# KiCad board nuevo5.kicad_pcb (continued)
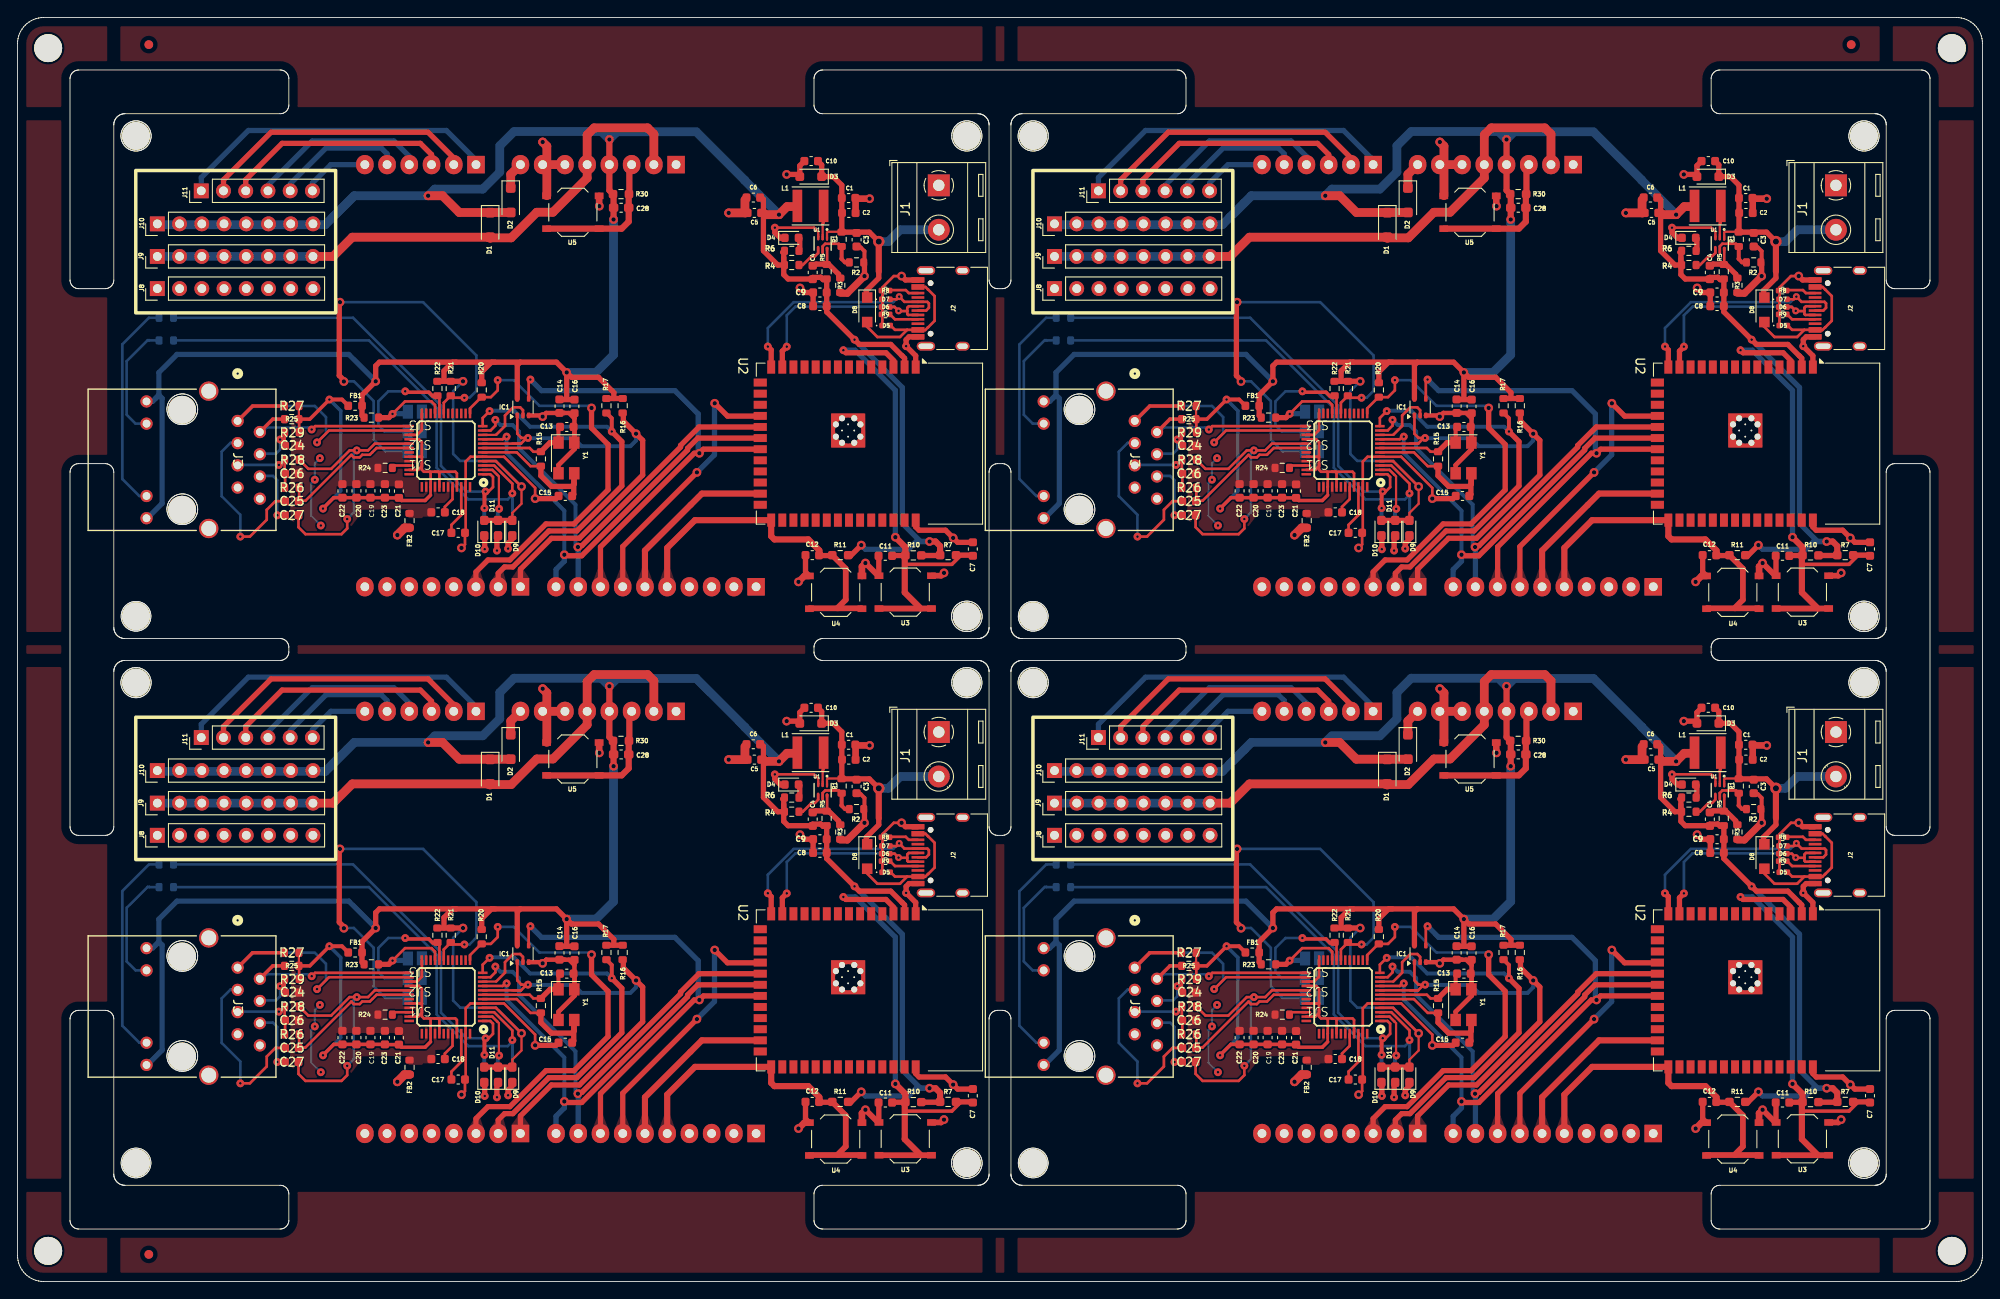
[diagram p0: board, top side]
## Routing (per net, layer and track width the routed paths; a pad name or vN(x,y) marks a point on that pad's centre or on a via; arc(x,y) is an arc through that point) (continued)
  Top w0.45: FB1#2.2 37.07,100.83 v2(35.64,100.83)
  Bottom w0.4: v2(34.9,88.36) 36.93,90.39 36.93,99.53 v2(35.64,100.83)
Board_0-GND: length 127.9
  Top w0.25: 91.29,120.18 91.49,119.98 91.49,119.41 U1.3 91.49,119.13 ; 95.75,123.83 C1#2.2 95.8,123.78 ; 63.63,97.74 63.59,97.7 63.6,97.69 ; U3#3.1 98.4,80.7 ; 63.6,99.29 C16.2
  Top w0.3: 98.79,109.28 98.8,109.29 98.8,109.85 ; 59.34,89.3 v1(59.14,89.5) 59.14,90.73 55.58,94.28 U$1.29 51.75,94.28 51.2,93.73 U$1.23 51.2,85.66 C17.2 51.12,84.26 v1(50.72,83.86) ; 98.81,109.94 98.81,111.67 98.76,111.71 ; v2(86.53,120.47) 91,120.47 91.29,120.18 ; 98.8,111.75 98.8,112.66 98.83,112.69 98.83,113.65 100.12,114.94 v1(101,114.94)
  Top w0.45: 95.87,118.23 96.32,118.23 96.77,117.78 96.77,116.5
  Top w0.5: 63.6,95.9 63.63,95.87 63.63,95.16 ; 61.8,93.33 63.63,95.16 ; 61.8,93.33 61.8,92.4 ; 61.8,93.33 63.63,95.16 63.63,98.67 ; 63.63,95.16 63.63,97.66 63.59,97.7 ; 62.49,99.29 60.41,99.29 ; 62.49,99.29 63,99.29 63.63,98.67 ; 62.49,99.29 C14#3.2 ; 60.41,99.29 v1(59.99,98.87) ; 60.41,99.29 60.13,99.01 IC1#4.3 ; 63.63,98.67 C16.2
  Top w0.6: C15#3.2 61.51,89.5 v1(59.14,89.5) ; C12.2 90.03,81.11 90.43,80.71 ; 98.4,80.7 98.4,83.01 ; C10#3.2 89.38,127.56 D3#3.2 89.13,126.56 v1(87.88,126.56) ; J2#3.A12 101.45,114.49 v1(101,114.94) ; C7#2.2 109.13,84.5 107.41,84.5 v1(106.9,85.01) 106.02,85.88 103,85.88 102.62,86.26 U2.40 ; C8#3.2 C9#4.2 89.92,113.06 v1(89.4,113.58) ; U2.1 102.62,105.83 v2(101.52,106.92) 101.52,107.66 101.86,107.99 J2#3.A1 ; 87.58,119.28 87.17,119.28 86.53,119.92 v2(86.53,120.47) ; v1(96.77,114.93) 96.77,116.5
  Top w0.65: v1(105.85,81.01) 105.53,80.68 U3#3.1 ; v1(96.88,82.13) 98.31,80.7 98.4,80.7
  Top w0.75: U4.1 89.9,80.66 v1(89.23,79.98) ; v1(97.35,123.78) 95.8,123.78 ; v1(96.88,82.13) 96.48,81.73 U4.1 ; v1(66.48,122.93) 66.45,122.96 U5#4.2 ; C2#2.2 95.75,123.83
  Top w0.8: 94,112.97 94.81,112.97 v1(96.77,114.93)
  Top w1: v1(43.4,85.33) 44.22,86.16 FB2#4.1 ; v1(60,130.27) 60.48,129.79 60.48,124.13 ; J4#3.6 J4#3.7 ; 83.11,123.66 83.11,122.2 83.15,122.16 v1(81.25,122.16)
  Top w1.2: 104.93,125.41 105.2,125.41
  Bottom w0.25: v2(34.55,94.12) 33.97,93.54 v2(33.97,91.66) 33.56,91.25 33.56,87.52 v2(34.65,86.43)
  vias: v4(94.9,97.28)
Board_0-Net-(D4-A): length 1.5
  Top w0.6: 89.33,119.28 89.37,119.25 89.37,117.82
Board_0-Net-(D5-A2): length 17
  Top w0.3: 101.65,108.79 100.25,108.79 99.76,109.28 ; 101.65,108.79 J2#3.A4 102.9,108.76 103.7,108.76 104.02,109.08 104.03,109.08 104.78,109.82 104.78,112.65 104.02,113.41 104.02,113.41 103.73,113.69 J2#3.A9 ; 101.65,108.79 100.83,107.97 98.24,107.97 97,109.21 97,109.77 96.93,109.69
Board_0-Net-(D9-K): length 1.7
  Top w0.25: 56.53,84.86 D9#3.1
  Top w0.6: v2(56.05,83.78) 56.05,84.38 56.53,84.86
  Bottom w0.25: 56.05,83.86 v2(56.05,83.78)
Board_0-Net-(D10-K): length 1.8
  Top w0.25: 53.38,85.21 D10.1
  Top w0.6: 53.38,85.21 v2(53.38,83.71) 53.3,83.79
  Bottom w0.6: v2(53.38,83.71) 53.3,83.79
Board_0-Net-(D11-K): length 1.8
  Top w0.25: 54.78,85.13 D11#2.1
  Top w0.6: v2(54.78,83.56) 54.78,85.13
Board_0-Net-(J2-CC1): length 3.4
  Top w0.3: J2#3.A5 100.25,109.99 R9#3.1
Board_0-Net-(J2-CC2): length 3.3
  Top w0.3: J2#3.B5 101.83,112.99 101.48,113.34 99.76,113.34 99.73,113.31
Board_0-Net-(J3-RCT): length 8.8
  Top w0.3: v2(29.86,93.35) 29.92,93.35 R28.1 30.53,92.4 C26#4.1 30.58,90.8 R26#4.1
  Bottom w0.3: v2(29.86,93.35) 25.19,93.35
Board_0-Net-(J3-RD+): length 20.3
  Top w0.3: C25.1 29.46,89.2 28.48,88.22 28.48,87.08 26.55,85.16 v2(25.46,85.16)
  Bottom w0.3: v2(25.46,85.16) 25.46,87.65 23.32,89.78 23.32,94.86 24.36,95.89 25.19,95.89
Board_0-Net-(J3-RD-): length 7
  Top w0.3: v2(29.69,87.59) 30.54,87.59 C27#3.1
  Bottom w0.3: 27.73,92.09 29.19,92.09 29.67,91.61 29.67,87.61 v2(29.69,87.59)
Board_0-Net-(J3-TCT): length 6.2
  Top w0.3: 30.53,97.03 30.53,95.53 30.58,95.48 30,96.05 v2(30,96.26)
  Bottom w0.3: v2(30,96.26) 30,95.11 29.52,94.63 27.73,94.63
Board_0-Net-(J11-Pin_1): length 37.1
  Bottom w0.45: J11#3.1 21,125.33
  Bottom w0.6: 21,125.33 21,126.2 26.38,131.58 49,131.58 52.38,128.2 J5#3.1
Board_0-Net-(J11-Pin_2): length 31.8
  Top w0.6: J5#3.2 49.84,128.44 46.9,131.38 28.98,131.38 23.54,125.94 J11#3.2
Board_0-Net-(J11-Pin_3): length 25.9
  Top w0.6: J5#3.3 47.3,128.83 46.03,130.11 30.23,130.11 26.08,125.96 J11#3.3
Board_0-Net-(J11-Pin_4): length 20.6
  Bottom w0.45: J11#3.4 28.62,125.32
  Bottom w0.6: J5#3.4 44.76,128.62 43,130.38 33.68,130.38 28.62,125.32
Board_0-Net-(J11-Pin_5): length 15.1
  Bottom w0.45: J11#3.5 31.16,125.49
  Bottom w0.6: 31.16,125.49 35.25,129.58 41.55,129.58 42.22,128.91 J5#3.5
Board_0-Net-(J11-Pin_6): length 7.8
  Bottom w0.6: J11#3.6 33.7,125.58 35.8,127.68 J5#3.6
Board_0-Net-(SJ1-A): length 50.7
  Top w0.3: v1(37.29,102.89) 37.36,102.96 ; v2(51.05,101.03) 49.73,101.03 R21#3.2 48.7,100.46 U$1.43
  Top w0.6: v1(36.84,111.95) 36.76,111.88 36.76,103.56 37.36,102.96
  Bottom w0.3: SJ1.1 42.04,94.9 40.69,96.26 40.69,100.65 38.43,102.91 37.36,102.91 ; v2(51.05,101.03) 51.64,101.03 52.43,101.81 52.43,105.86 46.34,111.95 v1(36.84,111.95) ; 44.58,95.11 44.8,95.32
Board_0-Net-(SJ2-A): length 15.9
  Top w0.3: 48.02,101.21 48.2,101.03 U$1.44
  Top w0.4: 48.02,101.21 47.45,101.21 47,101.66 44.4,101.66 v2(44.3,101.76)
  Bottom w0.3: SJ2.1 41.92,97.18 41.22,97.88 41.22,100.62 42.36,101.76 v2(44.3,101.76)
Board_0-Net-(SJ3-A): length 10.1
  Top w0.3: v2(42.85,99.18) 44.27,100.61 47.3,100.61 47.7,100.21 U$1.45
  Top w0.6: R23#2.2 42.42,98.76 v2(42.85,99.18)
  Bottom w0.6: 44.62,99.21 42.87,99.21 v2(42.85,99.18)
Board_0-Net-(U1-EN): length 5.9
  Top w0.25: 94.28,118.16 94.35,118.22
  Top w0.3: 94.36,118.19 94.32,118.23 94.16,118.23 R1#3.1 93.84,118.63 92.28,118.63 91.99,118.34 91.99,117.58
  Top w0.45: 94.16,118.23 94.16,116.93 94.14,116.91 94.55,116.5 94.94,116.5
Board_0-Net-(U1-FB): length 5.4
  Top w0.3: U1.6 92.49,118.13 92.5,118.13 92.5,116.41 92.44,116.35
  Top w0.6: 91.18,116.25 91.24,116.31 92.39,116.31 92.44,116.35 92.6,116.35 93.82,115.14 93.82,114.97
Board_0-Net-(U1-PG): length 3.3
  Top w0.3: 91.47,118.24 91.47,117.57 91.11,117.2 90.72,117.2 89.72,116.2 89.37,116.2
Board_0-Net-(U1-SW): length 5.9
  Top w0.25: 91.99,119.14 91.99,119.15 U1.2 91.99,120.91 ; 91.99,120.91 92.1,121.02 L1.1 ; 91.99,120.91 91.99,122.77 92.1,122.88
Board_0-Net-(U$1-1V20): length 5.7
  Top w0.3: 49.69,85.61 49.57,85.73 49.57,86.5 50.7,87.62 U$1.22
Board_0-Net-(U$1-EXRES1): length 2
  Top w0.3: U$1.10 43.1,93.28 R24#3.1
Board_0-Net-(U$1-TOCAP): length 3.3
  Top w0.3: U$1.20 49.7,89.43 48.82,88.56 C18.1
Board_0-Net-(U$1-XI/CLKIN): length 16.9
  Top w0.3: 63.37,92.16 63.6,92.4 ; R15#2.2 58.62,93.21 57.05,94.78 U$1.30
  Top w0.6: C15#3.1 63.55,89.99 63.55,91.98 63.37,92.16 ; R15#2.2 59.8,92.11 61.01,90.89 63.34,90.89 63.6,91.16 63.6,92.4
Board_0-Net-(U$1-XO): length 11.3
  Top w0.3: R15#2.1 58.94,94.86 58.52,95.28 U$1.31
  Top w0.45: 62.04,97.7 61.8,97.47 Y1#3.1
  Top w0.6: R15#2.1 60.83,95.9 Y1#3.1 ; 61.68,95.96 61.76,95.87
Board_0-unconnected-(J3-NC-Pad7): length 0.4
  Bottom w0.3: 24.92,90.48 25.17,90.73
Board_0-VBAT: length 32.5
  Top w0.25: 92.49,119.11 92.49,119.91 92.58,120 94.34,120 94.36,120.02 ; U1.1 92.49,119.23
  Top w0.6: 94.18,124.06 94.18,120.2 94.42,119.96 97.33,119.96 v5(98.4,118.88) 98.39,118.87 98.39,118.41 ; 97,112.57 96.98,112.59 96.98,113.29 98.4,114.71 98.4,115.47 ; C1#2.1 94.18,125.33 93.2,126.31 D3#3.1 91.88,127.66 C10#3.1
  Top w0.7: 98.4,115.47 v5(98.4,118.88)
  Bottom w1: J1#2.2 100.86,120.23 99.51,118.88 v5(98.4,118.88)
Board_0-VIN: length 3.1
  Top w1: J4#3.8 56.35,126.57 D2.1
Board_1-+3V3: length 343.2
  Top w0.25: v1(160.08,90.87) 160.08,88.92 159.03,87.86 D9#4.2
  Top w0.3: U$1#4.28 157.16,93.78 160.08,90.87 v1(160.08,90.87)
  Top w0.6: 159.94,105.09 159.6,104.76 IC1.5 ; 159.94,105.09 152.62,105.09 ; 159.94,105.09 164.08,105.09 v1(165.24,103.93) ; R23#3.1 141.86,99 141.86,101.35 v1(143.42,102.91) 143.42,104.67 143.85,105.09 152.62,105.09 ; R16.2 R17#3.2 ; 205.69,82.99 207.86,82.99 R7.2 ; 152.62,105.09 152.21,105.09 151.22,104.1 151.22,102.93 151.2,102.91 ; 203.91,104.59 U2#3.2 203.85,105.55 203.57,105.82 203.57,105.82 202.27,107.12 198.67,107.12 v2(198.13,107.67) 194.95,110.85 C8#2.1 194.95,114.52 194.94,114.53 194.54,114.53 194.27,114.8 194.26,114.79 193.35,114.79 193.17,114.61 190.54,114.61 190.04,115.11 190.04,117.8 189.91,117.66 ; C16#2.1 164.45,100.82 C14#4.1 ; 170.63,100.94 170.63,101.62 168.88,103.37 165.8,103.37 v1(165.24,103.93) ; v1(153.4,102.91) R21#2.1 R22#4.1 ; v1(198.9,84.18) 197.7,82.99 197.41,82.99 ; 170.6,124.26 170.58,124.28 ; v1(165.24,103.93) 165.24,100.84 ; 190.04,117.03 190.04,116.2 189.35,116.2 187.72,117.84 187.72,123.69 187.55,123.87 ; D9#4.2 D11.2 D10#3.2 ; R20#2.1 155.53,103.98 156.65,105.09 157.09,105.09
  Top w0.7: 170.58,124.28 170.12,124.74 J4.4 v1(170.12,130.55) ; v1(170.6,121.41) 170.6,122.75 ; v1(206.7,84.59) 207.39,84.59 207.9,84.08 R7.2 ; C28#4.1 170.6,124.26
  Top w1: 170.6,122.75 C28#4.1 ; D2#2.2 152.97,122.21 151.05,124.12 v1(149.41,124.12) ; 187.72,122.16 187.92,121.96 v1(189.5,121.96) 190.42,122.88 191.6,122.88
  Bottom w0.3: v1(160.08,90.87) 157.14,93.81 153.07,93.81 152.27,94.61 152.27,101.78 v1(153.4,102.91)
  Bottom w0.6: 118.65,101.34 119.02,100.96 119.02,88.95 117.44,87.37 ; 118.65,101.34 118.65,103.92 120.72,105.98 140.35,105.98 v1(143.42,102.91) ; 118.65,101.34 117.92,100.61 J3#3.9 ; 118.65,101.34 118.25,100.94 ; v1(198.9,84.18) 199.37,83.71 204.3,83.71 205.18,84.59 v1(206.7,84.59) 205.66,84.59 203.59,86.66 203.59,102.2 v2(198.13,107.67)
  Bottom w1: v1(170.6,121.41) 170.6,105.93 168.59,103.93 v1(165.24,103.93) ; 140.97,124.12 v1(149.41,124.12) 150.17,124.88 155.65,124.88 157.6,126.83 157.6,129.83 159.23,131.47 169.21,131.47 ; 140.97,124.12 138.48,121.63 ; 140.97,124.12 138.48,121.63 ; 171,131.43 170.97,131.47 169.21,131.47 ; 171,131.43 180.05,131.43 185.58,125.91 185.58,125.88 v1(189.5,121.96) ; 171,131.43 v1(170.12,130.55) 169.21,131.47 ; 138.48,121.63 137.66,120.81 118.57,120.81 J10#4.1
Board_1-+5V: length 69.5
  Top w1: J9.8 138.55,117.18 140.75,119.38 D1#4.2 ; 156.5,119.26 156.55,119.31 158.9,119.31 161.82,122.23 163.67,122.23 167.58,126.15 J4.5 167.58,131.09 168.38,131.88 174.49,131.88 175.2,131.17 J4.2
  Bottom w1: J9.8 J9.7 J9.6 J9.5 J9.4 J9.3 J9.2 J9.1
Board_1-/Archi/CS1: length 31.1
  Top w0.6: v1(180.12,92.5) 171.65,84.02 J6#4.7 ; v1(182.15,100.4) 183.62,98.93 187.33,98.93 U2#3.18
  Bottom w0.6: v1(180.12,92.5) 182.13,94.5 182.13,100.37 v1(182.15,100.4)
Board_1-/Archi/MISO: length 55.1
  Top w0.3: IC1.4 160.9,102.92 v2(161.1,103.11)
  Top w0.6: U2#3.21 180.86,95.15 v1(180.4,94.69) 179.81,94.69 169.11,83.98 J6#4.8 169.1,79.43
  Bottom w0.6: v1(180.4,94.69) 180.27,94.81 180.27,99.18 177.61,101.84 162.37,101.84 v2(161.1,103.11) ; J6#4.8 169.1,79.43
Board_1-/Archi/READY: length 20
  Top w0.7: J6#4.6 174.19,83.56 180.69,90.07 U2#3.25
Board_1-/Archi/RUN: length 16.4
  Top w0.6: 172.4,127.42 J4.3 ; 172.33,124.21 172.4,124.28
  Top w0.7: 172.4,124.28 172.4,127.42 ; 172.33,124.21 C28#4.2 172.33,121.16 171.52,120.36 U5#2.1
Board_1-/Ethernet/ACTLED: length 59.3
  Top w0.25: 158.92,89.99 v2(159.03,90.1)
  Top w0.3: v2(159.03,90.1) 159.03,91.21 156.96,93.28 U$1#4.27
  Bottom w0.25: 159.05,90.08 v2(159.03,90.1) 158.97,90.04 ; R12#4.2 159.05,87.07
  Bottom w0.3: R18.2 142.65,107.58 150.39,99.85 150.39,93.03 154.01,89.41 158.51,89.41 159.03,89.93 v2(159.03,90.1)
  Bottom w0.35: 159.05,87.07 159.05,90.08
Board_1-/Ethernet/CS: length 52.1
  Top w0.3: 160.02,95.78 160.67,96.43 v2(160.82,96.43) 160.06,96.43 160.04,96.46 160.04,96.48 159.6,96.91 IC1.1 ; 160.02,95.78 159.1,95.78 ; 160.02,95.78 U$1#4.32
  Top w0.6: R16.1 171.71,99.22 171.71,98.37 v1(173.17,96.92) 173.92,96.16 173.92,92.19 166.7,84.97 163.5,84.97 159.96,81.43 J7.1
  Bottom w0.45: v2(160.82,96.43) 160.84,96.41 166.02,96.41 166.94,95.49 172.53,95.49 173.17,96.14 v1(173.17,96.92)
Board_1-/Ethernet/DUPLED: length 6.8
  Top w0.25: 157.32,92.21 157.32,92.21 157.5,92.03 157.5,88.71
  Top w0.3: 157.32,92.21 156.75,92.78 U$1#4.26
  Bottom w0.25: 157.37,88.18 v2(157.52,88.33)
  Bottom w0.45: R14#2.2 157.37,88.18
Board_1-/Ethernet/GREENLED: length 24.8
  Bottom w0.3: J3#3.11 116.41,89.8 114.47,91.74 114.47,107.13 117.52,110.17 R19#2.1
  Bottom w0.6: J3#3.11 116.98,90.06
Board_1-/Ethernet/INTN: length 45.9
  Top w0.3: v2(156.43,99.5) 155.65,98.72 U$1#4.36
  Top w0.45: R17#3.1 170.39,98.68 v2(170.39,97.17)
  Top w0.6: v2(170.39,97.17) 171.54,96.02 171.54,90.94 166.4,85.8 163.21,85.8 159.09,81.69 158.14,81.69 157.42,80.97 J7.2
  Bottom w0.45: v2(156.43,99.5) 156.49,99.56 159.22,99.56 161.07,97.71 169.85,97.71 v2(170.39,97.17)
Board_1-/Ethernet/LINKLED: length 54.8
  Top w0.25: 155.85,90.18 v2(155.97,90.31)
  Top w0.3: U$1#4.25 156.51,92.28 156.82,91.97 156.82,90.81 156.32,90.31 v2(155.97,90.31)
  Top w0.45: v2(155.85,88.41) 155.85,90.18
  Bottom w0.25: 155.82,88.38 v2(155.85,88.41)
  Bottom w0.3: v2(155.97,90.31) 153.81,90.31 150.89,93.24 150.89,100.12 140.83,110.17 R19#2.2
  Bottom w0.45: R13#2.2 155.82,88.38
Board_1-/Ethernet/MISO: length 7.3
  Top w0.25: U$1#4.34 157.17,96.78 157.22,96.83
  Top w0.3: 157.22,96.83 158.19,97.8 158.19,99 159.12,99.93 159.92,99.93 160.25,99.61 IC1.2
Board_1-/Ethernet/MOSI: length 52.9
  Top w0.3: v2(157.09,98.5) 157.09,97.84 156.54,97.28 U$1#4.35
  Top w0.6: U2#3.19 180.36,97.69 178.25,95.58 178.25,95.39 166.98,84.11 166.67,84.11 v1(166.52,83.97)
  Bottom w0.25: 166.57,83.92 v1(166.52,83.97)
  Bottom w0.45: v1(166.52,83.97) 166.25,83.97 166.25,88.81 159.79,95.27 159.79,97.18 159.07,97.91 157.69,97.91 v2(157.09,98.5)
  Bottom w0.6: J6#4.9 166.57,83.92
Board_1-/Ethernet/RESET: length 49
  Top w0.3: U$1#4.37 154.2,99.81 155.49,101.09 156.58,101.09 157.36,101.88 v2(157.36,103.04)
  Top w0.6: v1(168.08,99.86) 168.08,97.57 169.97,95.69 169.97,90.5 166.07,86.6 162.88,86.6 158.76,82.49 156.25,82.49 154.88,81.12 J7.3 155.26,79.42
  Bottom w0.3: v1(168.08,99.86) 167.84,100.11 162.12,100.11 159.19,103.04 v2(157.36,103.04)
Board_1-/Ethernet/RX+: length 16.8
  Top w0.3: R26#2.2 134.68,89.25 135.39,89.25 140.64,94.5 140.93,94.21 141.59,94.21 141.89,94.51 142.76,94.51 143.53,95.28 U$1#4.6
Board_1-/Ethernet/RX-: length 31.1
  Top w0.3: v2(140.17,87.16) 140.17,86.09 139.51,85.44 135.4,85.44 134.6,86.23 C27#2.2 ; R28#3.2 135.72,92.9 138.34,92.9 140.44,95.01 v2(141.26,95.01) 142.55,95.01 143.32,95.78 U$1#4.5
  Bottom w0.3: v2(140.17,87.16) 140.9,87.9 140.9,94.66 v2(141.26,95.01)
Board_1-/Ethernet/SCK: length 51.3
  Top w0.3: v2(158.38,96.58) 158.22,96.58 157.92,96.28 U$1#4.33
  Top w0.6: 163.97,79.47 J6#4.10 ; U2#3.20 180.23,96.42 179.05,95.25 179.05,95.06 166.96,82.96 165.09,82.96 v1(164.97,83.08)
  Bottom w0.45: v2(158.38,96.58) 158.38,94.71 164.97,88.11 v1(164.97,83.08)
  Bottom w0.6: J6#4.10 164.03,81.39 164.97,82.34 v1(164.97,83.08)
Board_1-/Ethernet/TX+: length 32.2
  Top w0.3: v2(136.72,95.93) 138.08,97.28 U$1#4.2 ; 133,100.1 133,99.92 132.84,100.08
  Top w0.4: R27.1 129.35,100.08 J3#3.1
  Bottom w0.3: v2(136.72,95.93) 137.74,96.95 137.74,98.82 136.47,100.08 129.47,100.08 127.77,98.38 J3#3.1
Board_1-/Ethernet/TX-: length 21.6
  Top w0.3: v2(136.11,97.4) 136.5,97.78 U$1#4.1 ; 133.02,98.58 133.03,98.58 ; J3#3.2 130.47,97.39
  Top w0.4: R25#4.1 131.66,98.58 J3#3.2
  Bottom w0.254: 130.24,97.11 130.21,97.08
  Bottom w0.3: 130.5,97.16 130.97,97.63 135.7,97.63 136.17,97.16 ; 130.23,97.17 130.45,97.4
Board_1-/Ethernet/YELLOWLED: length 13.5
  Bottom w0.3: J3#3.10 115.99,98.07 114.97,99.09 114.97,105.21 117.37,107.61 117.54,107.61 117.57,107.58 R18.1
Board_1-/MCU-WiFi/CHIP_PU: length 57.8
  Top w0.25: R10#4.1 203.87,82.94 203.87,82.03 203.92,81.98
  Top w0.4: 203.92,81.98 209.25,81.98 210.27,83.01 210.27,83.03
  Top w0.6: v2(196.85,106.46) 197.14,106.17 201.72,106.17 202.64,105.25 ; 209.64,83.03 R7.1 211.57,83.03 C7.1 ; R10#4.1 203.92,82.99 202.35,82.99
  Top w0.65: U3#2.2 U3#2.2
  Top w0.7: 203.87,82.99 203.87,78.77 205.7,76.93 ; v1(202.79,85.09) 203.94,83.95 R10#4.1
  Bottom w0.6: v1(202.79,85.09) 202.79,101.87 198.2,106.46 v2(196.85,106.46)
Board_1-/MCU-WiFi/D+: length 28.1
  Top w0.3: J2#2.A6 206.31,110.99 206.62,111.31 206.62,111.82 206.45,111.99 J2#2.B6 203.83,111.99 v3(203.24,112.59) 202.93,112.28 202.02,112.28
  Top w0.6: U2#3.14 188.61,106.5 v2(188.22,106.88)
  Bottom w0.3: 203.21,112.61 202.55,111.95 191.18,111.95 188.22,109 v2(188.22,106.88)
  Bottom w0.6: v3(203.24,112.59) 203.21,112.61
Board_1-/MCU-WiFi/D-: length 25.2
  Top w0.3: 204.16,110.94 204.16,111.32 204.33,111.49 J2#2.A7 ; 204.16,110.94 204.16,110.59 204.26,110.49 J2#2.B7 ; 204.16,110.94 203.18,110.94 v3(203.16,110.96) 202.72,111.4 202,111.4 201.95,111.34
  Top w0.6: U2#3.13 189.88,106.36 v2(190.39,106.87)
  Bottom w0.3: v2(190.39,106.87) 190.39,110.45 191.38,111.45 202.67,111.45 v3(203.16,110.96)
Board_1-/MCU-WiFi/GPIO0: length 41
  Top w0.25: 196.15,76.96 196.27,76.96
  Top w0.6: 195.58,82.99 194.11,82.99
  Top w0.65: U4#3.2 193.02,76.96 198.92,76.96 U4#3.2 ; R11#2.1 197.12,81.49 197.12,77.93 196.15,76.96
  Top w0.7: J6#4.5 176.73,83.86 179.9,87.03 U2#3.27 188.61,85.2 188.97,84.83 192.85,84.83 194.11,83.57 194.11,82.99
Board_1-AGND: length 3.6
  Top w0.3: U$1#4.3 148.14,96.78 148.7,97.34 U$1#4.48
Board_1-AVDD: length 55.8
  Top w0.25: R25#4.2 R27.2 ; 135.88,98.58 135.88,98.58
  Top w0.3: 149.69,89.9 149.69,90.83 U$1#4.15 149.7,92.47 149.6,92.57 ; 150.17,92.57 150.55,92.57 150.7,92.42 U$1#4.17 ; 150.17,92.57 149.6,92.57 ; 150.17,92.57 152.52,92.57 152.7,92.4 U$1#4.21 ; 149.6,92.57 148.92,92.57 148.7,92.8 148.7,93.5 ; U$1#4.11 148.27,92.78 148.7,93.21 148.7,93.5 ; 148.7,93.5 148.7,94.27 ; U$1#4.8 148.51,94.28 148.52,94.27 148.7,94.27 ; 148.7,94.27 148.7,95.96 148.38,96.28 U$1#4.4 ; 144.5,89.58 C23#2.1 ; 134.68,97.03 134.68,98.58 ; 134.68,100.08 134.65,100.1
  Top w0.4: v2(138.14,100.83) 135.88,98.58 ; v2(137.4,88.36) 137.4,88.37 138.63,89.61 C22#3.1 C20#2.1 C19.1 C23#2.1 ; 144.5,89.58 C21#3.1 146.37,89.28 149.07,89.28 149.69,89.9 ; 135.88,98.58 R25#4.2
  Top w0.45: FB1#3.2 139.57,100.83 v2(138.14,100.83)
  Bottom w0.4: v2(137.4,88.36) 139.43,90.39 139.43,99.53 v2(138.14,100.83)
Board_1-GND: length 127.9
  Top w0.25: 166.13,97.74 166.09,97.7 166.1,97.69 ; 198.3,123.78 C1#3.2 198.25,123.83 ; 193.99,119.13 U1#4.3 193.98,119.41 193.98,119.98 193.79,120.18 ; 166.1,99.29 C16#2.2 ; U3#2.1 200.9,80.7
  Top w0.3: v1(203.5,114.94) 202.61,114.94 201.33,113.65 201.33,112.69 201.3,112.66 201.3,111.75 ; 201.3,109.85 201.3,109.29 201.29,109.28 ; 161.84,89.3 v1(161.64,89.5) 161.64,90.73 158.08,94.28 U$1#4.29 154.25,94.28 153.7,93.73 U$1#4.23 153.7,85.66 C17#3.2 153.62,84.26 v1(153.22,83.86) ; 201.26,111.71 201.31,111.67 201.31,109.94 ; v2(189.02,120.47) 193.5,120.47 193.79,120.18
  Top w0.45: 198.37,118.23 198.82,118.23 199.27,117.78 199.27,116.5
  Top w0.5: 166.13,98.67 165.5,99.29 164.99,99.29 ; 166.13,98.67 C16#2.2 ; 166.13,98.67 166.13,95.16 164.3,93.33 ; 164.99,99.29 162.91,99.29 ; 164.99,99.29 C14#4.2 ; 162.91,99.29 162.63,99.01 IC1.3 ; 162.91,99.29 v1(162.49,98.87) ; 164.3,93.33 166.13,95.16 ; 164.3,93.33 164.3,92.4 ; 166.13,95.16 166.13,95.87 166.1,95.9 ; 166.13,95.16 166.13,97.66 166.09,97.7
  Top w0.6: v2(189.02,120.47) 189.02,119.92 189.66,119.28 190.08,119.28 ; v1(191.9,113.58) 192.42,113.06 C9#2.2 C8#2.2 ; 192.92,80.71 192.53,81.11 C12#2.2 ; v1(199.27,114.93) 199.27,116.5 ; 200.9,80.7 200.9,83.01 ; U2#3.1 205.12,105.83 v2(204.02,106.92) 204.02,107.66 204.36,107.99 J2#2.A1 ; C7.2 211.63,84.5 209.91,84.5 v1(209.4,85.01) 208.52,85.88 205.5,85.88 205.12,86.26 U2#3.40 ; v1(161.64,89.5) 164.01,89.5 C15.2 ; J2#2.A12 203.95,114.49 v1(203.5,114.94) ; v1(190.37,126.56) 191.62,126.56 D3#2.2 191.87,127.56 C10.2
  Top w0.65: v1(199.37,82.13) 200.8,80.7 200.9,80.7 ; U3#2.1 208.02,80.68 v1(208.35,81.01)
  Top w0.75: C2#4.2 198.25,123.83 ; v1(199.37,82.13) 198.97,81.73 U4#3.1 ; v1(191.72,79.98) 192.4,80.66 U4#3.1 ; v1(199.85,123.78) 198.3,123.78 ; v1(168.97,122.93) 168.95,122.96 U5#2.2
  Top w0.8: v1(199.27,114.93) 197.3,112.97 196.5,112.97
  Top w1: v1(145.9,85.33) 146.72,86.16 FB2#2.1 ; J4.6 J4.7 ; v1(183.75,122.16) 185.65,122.16 185.61,122.2 185.61,123.66 ; v1(162.5,130.27) 162.97,129.79 162.97,124.13
  Top w1.2: 207.43,125.41 207.7,125.41
  Bottom w0.25: v2(137.05,94.12) 136.47,93.54 v2(136.47,91.66) 136.06,91.25 136.06,87.52 v2(137.15,86.43)
  vias: v4(197.4,97.28)
Board_1-Net-(D4-A): length 1.5
  Top w0.6: 191.83,119.28 191.87,119.25 191.87,117.82
Board_1-Net-(D5-A2): length 17
  Top w0.3: 204.14,108.79 202.75,108.79 202.26,109.28 ; 204.14,108.79 J2#2.A4 205.4,108.76 206.2,108.76 206.52,109.08 206.53,109.08 207.28,109.82 207.28,112.65 206.52,113.41 206.52,113.41 206.23,113.69 J2#2.A9 ; 204.14,108.79 203.32,107.97 200.74,107.97 199.5,109.21 199.5,109.77 199.43,109.69
Board_1-Net-(D9-K): length 1.7
  Top w0.25: 159.03,84.86 D9#4.1
  Top w0.6: 159.03,84.86 158.55,84.38 v2(158.55,83.78)
  Bottom w0.25: 158.55,83.86 v2(158.55,83.78)
Board_1-Net-(D10-K): length 1.8
  Top w0.25: 155.87,85.21 D10#3.1
  Top w0.6: 155.8,83.79 v2(155.87,83.71) 155.87,85.21
  Bottom w0.6: v2(155.87,83.71) 155.8,83.79
Board_1-Net-(D11-K): length 1.8
  Top w0.25: 157.27,85.13 D11.1
  Top w0.6: v2(157.27,83.56) 157.27,85.13
Board_1-Net-(J2-CC1): length 3.4
  Top w0.3: J2#2.A5 202.75,109.99 R9#2.1
Board_1-Net-(J2-CC2): length 3.3
  Top w0.3: 202.23,113.31 202.26,113.34 203.98,113.34 204.33,112.99 J2#2.B5
Board_1-Net-(J3-RCT): length 8.8
  Top w0.3: v2(132.36,93.35) 132.42,93.35 R28#3.1 133.03,92.4 C26#2.1 133.08,90.8 R26#2.1
  Bottom w0.3: v2(132.36,93.35) 127.69,93.35
Board_1-Net-(J3-RD+): length 20.3
  Top w0.3: v2(127.96,85.16) 129.05,85.16 130.97,87.08 130.97,88.22 131.96,89.2 C25#3.1
  Bottom w0.3: v2(127.96,85.16) 127.96,87.65 125.82,89.78 125.82,94.86 126.86,95.89 127.69,95.89
Board_1-Net-(J3-RD-): length 7
  Top w0.3: v2(132.19,87.59) 133.04,87.59 C27#2.1
  Bottom w0.3: 130.23,92.09 131.69,92.09 132.17,91.61 132.17,87.61 v2(132.19,87.59)
Board_1-Net-(J3-TCT): length 6.2
  Top w0.3: v2(132.5,96.26) 132.5,96.05 133.08,95.48 133.03,95.53 133.03,97.03
  Bottom w0.3: 130.23,94.63 132.02,94.63 132.5,95.11 v2(132.5,96.26)
Board_1-Net-(J11-Pin_1): length 37.1
  Bottom w0.45: J11.1 123.49,125.33
  Bottom w0.6: 123.49,125.33 123.49,126.2 128.87,131.58 151.5,131.58 154.88,128.2 J5#2.1
Board_1-Net-(J11-Pin_2): length 31.8
  Top w0.6: J5#2.2 152.34,128.44 149.4,131.38 131.47,131.38 126.03,125.94 J11.2
Board_1-Net-(J11-Pin_3): length 25.9
  Top w0.6: J11.3 128.57,125.96 132.72,130.11 148.52,130.11 149.8,128.83 J5#2.3
Board_1-Net-(J11-Pin_4): length 20.6
  Bottom w0.45: J11.4 131.11,125.32
  Bottom w0.6: J5#2.4 147.26,128.62 145.5,130.38 136.17,130.38 131.11,125.32
Board_1-Net-(J11-Pin_5): length 15.1
  Bottom w0.45: J11.5 133.65,125.49
  Bottom w0.6: 133.65,125.49 137.75,129.58 144.05,129.58 144.72,128.91 J5#2.5
Board_1-Net-(J11-Pin_6): length 7.8
  Bottom w0.6: J5#2.6 138.3,127.68 136.19,125.58 J11.6
Board_1-Net-(SJ1-A): length 50.7
  Top w0.3: v1(139.79,102.89) 139.86,102.96 ; U$1#4.43 151.2,100.46 R21#2.2 152.23,101.03 v2(153.55,101.03)
  Top w0.6: v1(139.34,111.95) 139.26,111.88 139.26,103.56 139.86,102.96
  Bottom w0.3: SJ1#4.1 144.54,94.9 143.19,96.26 143.19,100.65 140.93,102.91 139.86,102.91 ; v1(139.34,111.95) 148.84,111.95 154.92,105.86 154.92,101.81 154.14,101.03 v2(153.55,101.03) ; 147.08,95.11 147.3,95.32
Board_1-Net-(SJ2-A): length 15.9
  Top w0.3: 150.52,101.21 150.7,101.03 U$1#4.44
  Top w0.4: 150.52,101.21 149.95,101.21 149.5,101.66 146.9,101.66 v2(146.8,101.76)
  Bottom w0.3: SJ2#3.1 144.42,97.18 143.72,97.88 143.72,100.62 144.86,101.76 v2(146.8,101.76)
Board_1-Net-(SJ3-A): length 10.1
  Top w0.3: v2(145.35,99.18) 146.77,100.61 149.8,100.61 150.2,100.21 U$1#4.45
  Top w0.6: v2(145.35,99.18) 144.92,98.76 R23#3.2
  Bottom w0.6: 147.12,99.21 145.37,99.21 v2(145.35,99.18)
Board_1-Net-(U1-EN): length 5.9
  Top w0.25: 196.78,118.16 196.85,118.22
  Top w0.3: 194.49,117.58 194.49,118.34 194.78,118.63 196.34,118.63 R1#4.1 196.65,118.23 196.82,118.23 196.86,118.19
  Top w0.45: 197.44,116.5 197.04,116.5 196.63,116.91 196.65,116.93 196.65,118.23
Board_1-Net-(U1-FB): length 5.4
  Top w0.3: 194.94,116.35 194.99,116.41 194.99,118.13 194.99,118.13 U1#4.6
  Top w0.6: 196.32,114.97 196.32,115.14 195.1,116.35 194.94,116.35 194.89,116.31 193.74,116.31 193.68,116.25
Board_1-Net-(U1-PG): length 3.3
  Top w0.3: 191.87,116.2 192.21,116.2 193.21,117.2 193.6,117.2 193.97,117.57 193.97,118.24
Board_1-Net-(U1-SW): length 5.9
  Top w0.25: 194.6,122.88 194.49,122.77 194.49,120.91 ; 194.49,120.91 194.6,121.02 L1#3.1 ; 194.49,120.91 U1#4.2 194.49,119.15 194.48,119.14
Board_1-Net-(U$1-1V20): length 5.7
  Top w0.3: U$1#4.22 153.2,87.62 152.07,86.5 152.07,85.73 152.19,85.61
Board_1-Net-(U$1-EXRES1): length 2
  Top w0.3: U$1#4.10 145.6,93.28 R24#2.1
Board_1-Net-(U$1-TOCAP): length 3.3
  Top w0.3: C18#2.1 151.32,88.56 152.2,89.43 U$1#4.20
Board_1-Net-(U$1-XI/CLKIN): length 16.9
  Top w0.3: R15#4.2 161.12,93.21 159.54,94.78 U$1#4.30 ; 165.87,92.16 166.1,92.4
  Top w0.6: 166.1,92.4 166.1,91.16 165.83,90.89 163.51,90.89 162.29,92.11 R15#4.2 ; 165.87,92.16 166.05,91.98 166.05,89.99 C15.1
